# Altium PCB Fri3D_2020_03.PcbDoc (part 2 of 3)
Units mm, origin at the board's own origin, x right, y up, seen from the top; angles counter-clockwise.
Board outline 134.73 x 117.95 mm, 2 copper layers (Top Layer, Bottom Layer), stack 1.571 mm thick; 120 components, 88 nets, 479 pads, 206 vias.
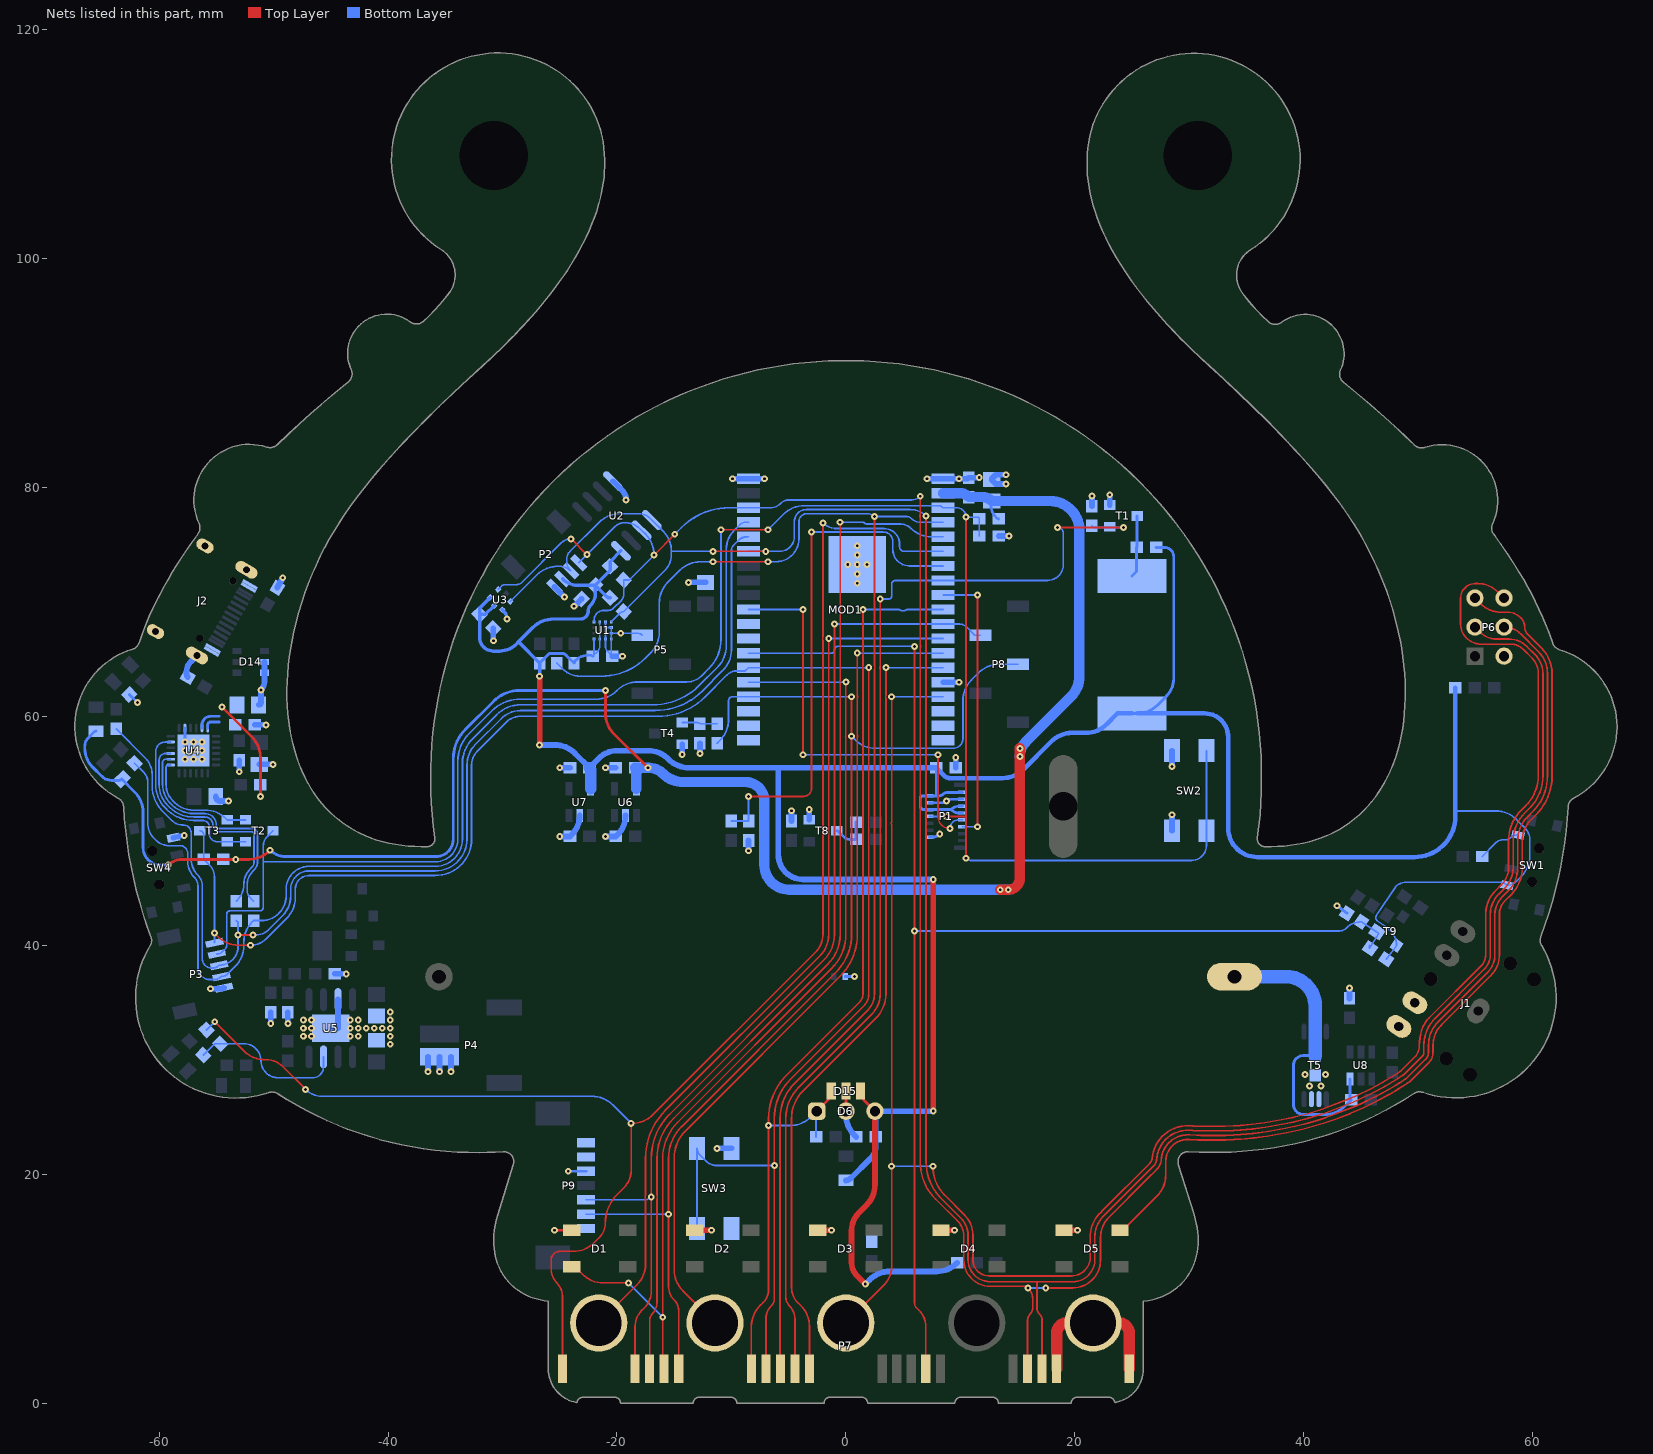
[diagram p2: the nets of this part, all layers, seen from the top]

## Via types
v1: diameter 0.6, hole 0.25, Top Layer to Bottom Layer, tented top, 206 vias

## Nets (pads, with @x,y where several pads share a name; then routed paths per layer and width w, separated by ;. In a path a pad name is that pad's centre, name@x,y a point inside that pad or via, vN(x,y) a via of type N, cw(c..) or ccw(c..) an arc to the next point about the centre after c; other vN are vias at no path point)
3V3_AUX: BUZ1.1 C2.1 C3.1 C4.1 C6.1 C7.1 C21.1 D6.3 D7.1 D15.3 P1.1 P1.2 P1.5 P1.6 P1.7 P2.2 R1.1 R2.1 R3.1 R9.1 R10.1 R33.1 R35.1 R45.1 SW1.3 T9.1 U1.2 U1.9 U1.10 U2.8 U3.1 U3.6 U7.5 | length 299.5
  Top Layer w0.25: D15.3@1.27,27.25 ccw(c2.429,27.25) 1.609,26.431 D6.3@2.54,25.5
  Top Layer w0.5: v1(-26.75,57.5) v1(-26.75,63.5) ; v1(1.7,10.4) 0.98,11.12 cw(c2.138,12.278) 0.5,12.278 0.5,15.067 cw(c2.7,15.067) 1.144,16.622 1.796,17.274 ccw(c0,19.07) 2.54,19.07 D6.3@2.54,25.5 ; v1(7.631,25.5) v1(7.631,45.75)
  Bottom Layer w0.15: C2.1@-22.1,65.25 ccw(c-23.549,66.699) -22.053,65.299 ccw(c-22.18,65.426) C2.1@-22.044,65.309 ; C2.1@-22.043,65.308 -21.701,65.65 ccw(c-22.185,66.134) -21.5,66.134 U1.9@-21.5,66.75 U1.2@-21.5,68.25 ; C2.1@-22,65.426 U1.10@-22,66.75 ; R35.1@47.205,38.775 47.462,39.114 47.859,39.635 T9.1@48.117,39.974 ccw(c46.275,39.974) 47.577,41.276 47.325,41.528 46.413,42.143 cw(c46.686,42.416) 46.3,42.416 cw(c46.85,42.416) 46.329,42.591 48.029,45.112 cw(c48.966,44.175) 48.966,45.5 57.114,45.5 cw(c57.114,44.562) SW1.3@57.777,45.225 ccw(c57.777,46.307) 58.542,45.542 59.006,46.006 ccw(c57.21,47.802) 59.75,47.802 59.75,49.244 ccw(c58.356,49.244) 59.342,50.229 58.584,50.987 ccw(c56.788,49.191) 56.788,51.731 53.25,51.731
  Bottom Layer w0.25: R2.1@-26.75,64.65 -26.006,65.394 cw(c-25.75,65.138) -25.755,65.5 ccw(c-25.75,65.8) -25.75,65.5 -25.45,65.5 -24.85,65.5 cw(c-24.85,64.896) -24.423,65.323 R3.1@-23.75,64.65 -23.656,64.848 cw(c-22.453,63.644) -22.286,65.338 C2.1@-22.1,65.25 ; C4.1@7.9,55.5 7.9,53.05 ; P1.7@10.188,51.55 9.905,51.55 cw(c9.905,52.574) 9.181,51.85 ; P1.5@10.188,52.15 9.905,52.15 ccw(c9.905,51.126) 9.181,51.85 ; P1.1@10.188,53.35 8.862,53.35 ccw(c8.862,52.838) 8.5,53.2 cw(c8.138,53.562) 8.138,53.05 7.9,53.05 ; BUZ1.1@25,60.25 25.448,60.25 ccw(c25.448,62.79) 27.244,60.994 28,61.75 ccw(c26.437,63.313) 28.647,63.313 28.647,73.95 ccw(c27.847,73.95) 27.847,74.75 R1.1@27.1,74.75 ; 7.9,53.05 P1.2@7.312,53.05 6.736,53.05 ccw(c6.736,52.814) 6.5,52.814 6.5,52.163 ccw(c6.813,52.163) 6.813,51.85 P1.6@7.312,51.85 9.181,51.85
  Bottom Layer w0.3: U3.1@-31.084,70.377 -32.001,69.46 C3.1@-32.001,68.901 ; U3.6@-30.73,69.67 -31.499,68.901 C3.1@-32.001,68.901 ; v1(-26.75,63.5) R2.1@-26.75,64.65 -28.6,66.5 ; P2.2@-24.75,72 ccw(c-23.425,73.325) -23.425,71.451 C6.1@-21.899,71.451 ; R9.1@-20.601,70.351 cw(c-20.601,70.828) -20.939,70.491 C6.1@-21.899,71.451 ; U2.8@-19.65,74.456 -20.601,73.505 R10.1@-20.601,73.101 -20.601,72.749 C6.1@-21.899,71.451 ; C3.1@-32.001,68.901 -32.001,66.901 ccw(c-30.8,66.901) -30.8,65.7 -30.249,65.7 ccw(c-30.249,67.749) -28.8,66.3 -28.6,66.5 ; -28.6,66.5 -27.344,67.756 cw(c-25.548,65.96) -25.548,68.5 -23.202,68.5 ccw(c-23.202,69.202) -22.5,69.202 -22.5,69.217 cw(c-21.817,69.217) -22.3,69.7 ccw(c-23.268,70.668) -21.899,70.668 C6.1@-21.899,71.451
  Bottom Layer w0.4: C4.1@7.9,55.5 8.582,54.818 ccw(c9.108,55.343) 9.108,54.6 13.71,54.6 ccw(c13.71,57.14) 15.506,55.344 17.968,57.806 cw(c19.764,56.01) 19.764,58.55 20.982,58.55 ccw(c20.982,61.09) 22.778,59.294 23.734,60.25 BUZ1.1@25,60.25 ; BUZ1.1@25.448,60.25 31.35,60.25 cw(c31.35,58.2) 33.4,58.2 33.4,50.242 ccw(c35.94,50.242) 35.94,47.702 49.695,47.702 ccw(c49.695,51.257) 53.25,51.257 53.25,51.731 R45.1@53.25,62.5
  Bottom Layer w0.5: v1(-26.75,57.5) -25.452,57.5 cw(c-25.452,54.96) -23.656,56.756 C21.1@-22.4,55.5 -21.563,56.337 cw(c-19.963,54.737) -19.963,57 -17.302,57 cw(c-17.302,54.46) -15.506,56.256 -15.494,56.244 ccw(c-13.698,58.04) -13.698,55.5 -5.9,55.5 ; D7.1@0,19.45 ccw(c0,20.034) 0.413,19.621 2.181,21.389 ccw(c1.169,22.401) 2.6,22.401 C7.1@2.6,23.25 2.6,25.4 D6.3@2.5,25.5 ; v1(1.7,10.4) 2.056,10.756 cw(c3.852,8.96) 3.852,11.5 7.918,11.5 ccw(c7.918,14.04) 9.714,12.244 R33.1@9.72,12.25 ; D6.3@2.54,25.5 v1(7.631,25.5) ; v1(7.631,45.75) -3.75,45.75 cw(c-3.75,47.9) -5.9,47.9 -5.9,55.5 ; C4.1@7.9,55.5 -5.9,55.5
  Bottom Layer w1: C21.1@-22.4,55.5 cw(c-22.641,55.259) -22.3,55.259 U7.5@-22.3,53.675
3V3_ESP: C9.1 C10.1 C19.1 D8.1 D9.1 MOD1.2 R7.1 R8.1 U6.5 | length 168.6
  Top Layer w0.25: v1(-59.2,47) cw(c-57.993,45.793) -57.993,47.5 v1(-53.3,47.5) -52.152,47.5 ccw(c-52.152,50.04) -50.356,48.244 v1(-50.3,48.3) ; v1(-21,62.25) -21,60.256 ccw(c-18.46,60.256) -20.256,58.46 v1(-17.296,55.5)
  Top Layer w0.9: v1(13.493,44.85) v1(14.193,44.85) ccw(c14.193,45.857) 15.2,45.857 v1(15.2,56.5) v1(15.2,57.2)
  Bottom Layer w0.25: D9.1@-65.5,58.7 ccw(c-65.5,58.44) -65.684,58.624 -66.176,58.132 ccw(c-65.394,57.35) -66.5,57.35 -66.5,57.25 ccw(c-64.086,57.25) -65.793,55.543 -65,54.75 ccw(c-64.166,55.584) -64.166,54.405 -63.506,54.405 ccw(c-63.506,54.756) D8.1@-63.258,54.508 -62.144,53.394 cw(c-63.94,51.598) -61.4,51.598 -61.4,48.54 ccw(c-59.86,48.54) -59.86,47 v1(-59.2,47) ; R7.1@-54.4,47.5 v1(-53.3,47.5) ; v1(-50.3,48.3) ccw(c-48.944,49.656) -48.944,47.738 -35.826,47.738 ccw(c-35.826,49.264) -34.3,49.264 -34.3,56.299 cw(c-30.675,56.299) -33.238,58.862 -30.795,61.305 cw(c-28.513,59.023) -28.513,62.25 v1(-21,62.25) ; C10.1@12.75,78.8 12.664,78.606 ccw(c14.339,78.523) 13.153,77.337 R8.1@13.35,77.25
  Bottom Layer w0.9: U6.5@-18.3,53.675 -18.3,55.259 ccw(c-18.641,55.259) C19.1@-18.4,55.5 v1(-17.296,55.5) ; v1@-17.207,55.5 cw(c-17.207,53.793) -16,55 -15.994,54.994 ccw(c-14.198,56.79) -14.198,54.25 -8.75,54.25 cw(c-8.75,52.62) -7.12,52.62 -7.12,47.02 ccw(c-4.95,47.02) -4.95,44.85 v1(13.493,44.85) v1(14.193,44.85) ; MOD1.2@8.5,79.488 9.934,79.488 cw(c9.934,78.334) C9.1@10.75,79.15 11.905,79.15 cw(c11.905,77.955) C10.1@12.75,78.8 17.86,78.8 cw(c17.86,76.26) 20.4,76.26 20.4,63.5 cw(c17.86,63.5) 19.656,61.704 15.729,57.776 ccw(c17.005,56.5) v1(15.2,56.5)
3V3_USB: C13.1 C14.2 R11.1 U4.5 U4.6 | length 13.7
  Top Layer w0.25: v1(-54.5,60.8) -51.894,58.194 cw(c-53.69,56.398) -51.15,56.398 v1(-51.15,53)
  Bottom Layer w0.25: U4.5@-56.25,58.975 -56.25,59.25 cw(c-55.5,59.25) -55.5,60 -54.75,60 ; U4.6@-55.75,58.975 -55.75,59.25 cw(c-55.5,59.25) -55.5,59.5 -54.75,59.5 ; v1(-51.15,53) R11.1@-51.15,54
ACC.INT1: R46.2 SW1.1 | length 3.8
  Bottom Layer w0.15: R46.2@55.6,47.75 56.836,48.986 cw(c57.369,48.454) 57.369,49.207 57.625,49.207 ccw(c57.625,49.823) 58.061,49.387 cw(c58.64,48.808) 58.64,49.627 SW1.1@58.713,49.627
BAT.MON: MOD1.7 R12.2 R17.1 | length 45.4
  Top Layer w0.15: v1(-8.5,53) -3.704,53 ccw(c-3.704,53.704) -3,53.704 -3,63 v1(-3,76.1)
  Bottom Layer w0.15: R12.2@-10,50.85 R17.1@-8.5,50.85 v1(-8.5,53) ; v1(-3,76.1) 3.277,76.1 cw(c3.277,75.277) 4.1,75.277 4.1,74.6 ccw(c5.562,74.6) 5.562,73.138 MOD1.7@8.5,73.138
C\H\R\G\: R19.2 R24.2 U5.7 | length 14
  Bottom Layer w0.15: R24.2@-56.149,30.399 -55.149,31.399 R19.2@-54.649,31.399 -52.599,31.399 cw(c-52.599,29.9) -51.1,29.9 ccw(c-49.627,29.9) -49.627,28.427 -46.452,28.427 ccw(c-46.582,29.365) -45.635,29.365 U5.7@-45.635,30.25
CHARGER.E\N\: R18.2 R28.1 T4.1 | length 3.1
  Bottom Layer w0.15: T4.1@-14.3,59.45 -12.992,59.45 cw(c-12.992,59.108) R28.1@-12.75,59.35 R18.2@-11.25,59.35
CO2.HD: P9.7
CO2.PWM: P9.1
CO2.VO: P9.6
CP2102.DTR: T2.1 T3.2 U4.23 | length 15.6
  Bottom Layer w0.15: U4.23@-58.975,57.75 -59.459,57.75 ccw(c-59.459,56.909) -60.3,56.909 -60.3,54.052 ccw(c-57.338,54.052) -59.433,51.958 ccw(c-57,54.226) -57,50.9 -56.2,50.9 cw(c-56.2,50.3) -55.6,50.3 -55.6,49.7 ccw(c-54.95,49.7) -54.95,49.05 T2.1@-52.45,49.05
CP2102.RTS: T2.2 T3.1 U4.19 | length 10.4
  Bottom Layer w0.15: U4.19@-58.975,55.75 -59.15,55.75 ccw(c-59.15,55.5) -59.4,55.5 -59.4,54.052 ccw(c-57.37,54.052) -58.805,52.616 ccw(c-56.985,54.237) -56.985,51.8 -55.952,51.8 cw(c-55.952,49.26) -54.156,51.056 T3.1@-54.05,50.95
  Bottom Layer w0.158: T3.1@-54.05,50.95 T2.2@-52.45,50.95
CP2102.RXD: R41.1 U4.20 | length 19.8
  Bottom Layer w0.15: U4.20@-58.975,56.25 -59.419,56.25 ccw(c-59.419,55.969) -59.7,55.969 -59.7,54.052 ccw(c-57.37,54.052) -59.024,52.41 ccw(c-56.985,54.237) -56.984,51.5 -56,51.5 cw(c-56,50.5) -55,50.5 ccw(c-54.7,50.5) -54.7,50.2 -51.9,50.2 cw(c-51.9,49.7) -51.4,49.7 -51.4,47.283 cw(c-52.383,47.283) -51.688,46.588 cw(c-52.383,47.283) -51.689,46.587 ; R41.1@-51.75,43.85 -52.017,44.117 cw(c-51.334,44.8) -52.3,44.8 -52.3,45.3 cw(c-50.669,45.3) -51.821,46.454 -51.689,46.587
CP2102.TXD: R40.1 U4.21 | length 20.5
  Bottom Layer w0.15: U4.21@-58.975,56.75 -59.438,56.75 ccw(c-59.438,56.188) -60,56.188 -60,54.052 ccw(c-57.37,54.052) -59.242,52.205 ccw(c-56.985,54.237) -56.984,51.2 -56,51.2 cw(c-56,50.5) -55.3,50.5 ccw(c-54.7,50.5) -54.7,49.9 -51.9,49.9 cw(c-51.9,49.7) -51.7,49.7 -51.7,47.283 cw(c-52.383,47.283) -51.9,46.8 -52.034,46.666 ccw(c-50.669,45.3) -52.6,45.3 cw(c-54.531,45.3) -53.166,43.934 R40.1@-53.25,43.85
DNU_IO16: MOD1.27
DNU_IO17: MOD1.28
DNU_SPI.CLK: MOD1.20
DNU_SPI.CS0: MOD1.19
DNU_SPI.D: MOD1.22
DNU_SPI.HD: MOD1.17
DNU_SPI.Q: MOD1.21
DNU_SPI.WP: MOD1.18
ESP.IO0: MOD1.25 P3.5 P7.9 R7.2 SW3.1 T3.3 | length 162.2
  Top Layer w0.15: v1(-55.166,41.059) -54.851,40.744 ccw(c-53.055,42.54) -53.055,40 v1(-52,40) ; P7.9@-6.985,3 -6.985,7.329 cw(c-5.329,7.329) -6.5,8.5 ccw(c-7.104,9.104) -6.25,9.104 -6.25,11.986 v1(-6.25,20.75) -6.25,23.77 -6.25,24.09 ccw(c-6.75,24.25) -6.25,24.41 -6.25,24.868 cw(c-1.414,24.868) -4.834,28.288 1.562,34.684 ccw(c0.506,35.74) 2,35.74 v1(2,64.248)
  Bottom Layer w0.15: T3.3@-56.45,50 cw(c-56.45,49.65) -56.1,49.65 R7.2@-56.1,47.5 -55.572,46.972 cw(c-56.553,45.991) -55.166,45.991 v1(-55.166,41.059) P3.5@-55.166,40.206 ; v1(-52,40) ccw(c-52,41.931) -50.634,40.566 -48.844,42.356 ccw(c-50.64,44.152) -48.1,44.152 -48.1,44.9 cw(c-46.912,44.9) -46.912,46.088 -35.876,46.088 ccw(c-35.876,49.264) -32.7,49.264 -32.7,55.735 cw(c-30.974,55.735) -32.194,56.956 -29.661,59.489 cw(c-28.427,58.255) -28.427,60 -16.406,60 ccw(c-16.406,65.808) -12.299,61.701 -10.387,63.613 cw(c-9.538,62.765) -9.538,63.965 -8.783,63.965 MOD1.25@-8.5,64.248 v1(2,64.248) ; SW3.1@-13,15.25 SW3.1@-13,22.25 ccw(c-12.192,22.25) -12.763,21.678 -12.239,21.154 ccw(c-11.264,22.128) -11.264,20.75 v1(-6.25,20.75)
ESP.IO2: D1.4 MOD1.24 P7.5 | length 84.4
  Top Layer w0.15: D1.4@-23.95,11.9 cw(c-23.95,11.2) -23.455,11.695 -23.004,11.244 ccw(c-21.208,13.04) -21.208,10.5 v1(-19,10.5) ; P7.5@-15.875,3 cw(c-15.573,3.302) -16,3.302 v1(-16,7.5) -16,16.34 cw(c-15.5,16.5) -16,16.66 -16,21.385 cw(c-11.583,21.385) -14.706,24.508 -1.219,37.995 ccw(c-4.163,40.939) 0,40.939 0,58.09 cw(c0.5,58.25) 0,58.41 0,61.55 cw(c0.5,61.71) 0,61.87 v1(0,63)
  Bottom Layer w0.15: v1(-19,10.5) v1(-16,7.5) ; MOD1.24@-8.5,62.978 v1(0,63)
ESP.IO4: MOD1.26 P7.17 R4.1 R32.2 R35.2 T9.2 | length 121
  Top Layer w0.15: v1(6,66.111) 6,8.752 ccw(c6.632,8.752) 6.185,8.305 6.39,8.1 cw(c4.954,6.664) 6.985,6.664 P7.17@6.985,3
  Bottom Layer w0.15: MOD1.26@-8.5,65.518 -1.253,65.518 ccw(c-1.253,65.771) -1,65.771 cw(c-0.66,65.771) -0.66,66.111 v1(6,66.111) ; v1(6,41.25) 43.131,41.25 ccw(c43.131,42.104) 43.735,41.5 43.753,41.519 cw(c45.025,40.247) R32.2@45.025,42.045 46.299,41.198 T9.2@46.541,41.036 46.318,40.674 45.975,40.117 45.751,39.752 45.75,39.75 R35.2@45.75,39.976
ESP.IO5: MOD1.29 P1.9 | length 37.8
  Top Layer w0.15: v1(-3.75,56.644) v1(-3.75,69.328) ; v1(8.056,56.644) 8.056,51.244 ccw(c9.1,51.244) v1(9.1,50.2)
  Bottom Layer w0.15: MOD1.29@-8.5,69.328 v1(-3.75,69.328) ; v1(-3.75,56.644) v1(8.056,56.644) ; v1(9.1,50.2) cw(c9.85,50.2) 9.85,50.95 P1.9@10.188,50.95
ESP.IO12: MOD1.14 P7.12 | length 69.9
  Top Layer w0.15: P7.12@-3.175,3 -3.175,6.693 ccw(c-5.715,6.693) -3.919,8.489 -4.186,8.756 cw(c-2.825,10.118) -4.75,10.118 -4.75,24.868 cw(c-1.414,24.868) -3.773,27.227 2.623,33.623 ccw(c0.506,35.74) 3.5,35.74 3.5,61.55 cw(c4,61.71) 3.475,61.71 cw(c4,61.71) 3.5,61.87 v1(3.5,64.248)
  Bottom Layer w0.15: v1(3.5,64.248) MOD1.14@8.5,64.248
ESP.IO13: MOD1.16 P6.6 P7.13 | length 175.9
  Top Layer w0.15: P7.13@0,7 3.346,10.346 ccw(c1.767,11.925) 4,11.925 v1(4,20.693) 4,50.49 cw(c4.5,50.65) 3.975,50.65 cw(c4.5,50.65) 4,50.81 v1(4,61.71) ; v1(7.6,20.693) ccw(c11.204,20.693) 8.655,18.145 10.356,16.444 cw(c8.56,14.648) 11.1,14.648 11.1,12.52 ccw(c12.52,12.52) 12.52,11.1 19.7,11.1 ccw(c19.7,12.756) 21.356,12.756 21.356,14.703 cw(c24.29,14.514) 22.156,16.536 cw(c24.29,14.514) 22.211,16.592 22.498,16.88 26.505,20.886 ccw(c25.834,21.556) 26.752,21.319 ccw(c25.834,21.556) 26.782,21.556 cw(c27.963,21.344) 26.783,21.558 cw(c27.176,21.488) 26.783,21.56 26.784,21.566 ; 26.784,21.568 26.786,21.575 26.809,21.7 ; 26.809,21.701 26.82,21.764 cw(c27.214,21.692) 26.821,21.765 ; 26.821,21.767 cw(c28.517,21.453) 26.821,21.768 cw(c29.058,21.354) 26.848,21.893 cw(c28.014,21.61) 26.849,21.898 cw(c29.058,21.354) 26.903,22.084 cw(c29.058,21.354) 26.918,22.125 cw(c27.67,21.854) 26.918,22.126 cw(c29.058,21.354) 26.955,22.222 cw(c29.058,21.354) 26.982,22.283 ; 26.982,22.284 cw(c28.077,21.795) 26.983,22.286 26.989,22.299 ; 26.989,22.3 27.05,22.436 cw(c27.78,22.109) 27.051,22.438 27.067,22.474 cw(c27.797,22.147) 27.069,22.477 cw(c28.641,21.768) 27.069,22.479 cw(c29.143,21.543) 27.101,22.545 cw(c27.46,22.37) 27.101,22.547 cw(c29.143,21.543) 27.143,22.627 cw(c28.198,22.055) 27.143,22.628 cw(c29.143,21.543) 27.158,22.654 cw(c27.856,22.264) 27.159,22.657 cw(c29.143,21.543) 27.221,22.76 cw(c27.559,22.547) 27.222,22.762 cw(c29.143,21.543) 27.238,22.786 cw(c27.908,22.35) 27.239,22.789 cw(c29.143,21.543) 27.267,22.83 cw(c28.69,21.855) 27.269,22.833 27.29,22.863 cw(c27.949,22.41) 27.291,22.865 27.328,22.919 cw(c28.316,22.238) 27.33,22.922 ; 27.331,22.922 cw(c29.202,21.628) 27.39,23.004 cw(c28.028,22.521) 27.392,23.007 cw(c29.202,21.628) 27.495,23.133 cw(c28.396,22.34) 27.497,23.135 27.564,23.211 cw(c28.164,22.682) 27.565,23.212 cw(c28.858,22.07) 27.568,23.215 cw(c29.27,21.706) 27.646,23.298 cw(c28.218,22.739) 27.648,23.301 cw(c29.27,21.706) 27.75,23.398 cw(c28.285,22.804) 27.751,23.399 cw(c29.27,21.706) 27.863,23.494 ; 27.864,23.494 cw(c28.606,22.551) 27.866,23.496 27.904,23.526 ; 27.905,23.527 28.026,23.622 ; 28.027,23.622 cw(c29.093,22.267) 28.03,23.625 cw(c29.433,21.834) 28.198,23.744 cw(c28.415,23.409) 28.199,23.745 cw(c29.433,21.834) 28.499,23.908 ; 28.499,23.908 28.654,23.979 cw(c29.151,22.887) 28.658,23.98 28.681,23.991 cw(c29.012,23.263) 28.682,23.991 cw(c29.622,21.92) 29.207,24.156 ; 29.211,24.157 29.228,24.16 cw(c29.449,22.981) 29.232,24.161 29.406,24.193 cw(c29.627,23.014) 29.407,24.194 ; 29.41,24.194 cw(c29.826,21.957) 29.821,24.232 ; 29.824,24.232 29.918,24.233 cw(c29.929,21.958) 30.073,24.228 ; 30.075,24.228 cw(c30.025,23.43) 30.076,24.228 30.327,24.212 30.673,24.19 30.761,24.188 cw(c30.734,22.988) 30.764,24.188 ; 30.766,24.188 30.842,24.186 cw(c30.824,23.386) 30.844,24.186 ; 30.845,24.186 31.038,24.181 31.047,24.181 33.157,24.181 33.847,24.217 34.445,24.254 35.479,24.348 36.604,24.494 38.26,24.788 39.037,24.95 39.618,25.095 40.199,25.241 41.353,25.583 41.584,25.663 44.057,26.606 44.714,26.894 45.794,27.423 46.852,27.997 47.552,28.415 cw(c48.169,27.386) 47.556,28.418 47.637,28.466 47.921,28.637 48.268,28.865 cw(c48.928,27.863) 48.272,28.868 48.386,28.943 ; 48.388,28.944 cw(c49.046,27.94) 48.39,28.945 cw(c49.635,27.041) 48.43,28.971 cw(c49.067,27.953) 48.433,28.973 cw(c49.635,27.041) 48.49,29.007 49.77,30.287 ccw(c48.536,31.248) 50.1,31.248 cw(c53.84,31.248) 50.227,32.214 cw(c52.74,31.845) 50.944,33.641 55.504,38.201 cw(c55.789,37.92) 55.505,38.202 ; 55.507,38.204 ccw(c54.56,39.152) 55.728,38.496 55.822,38.703 ccw(c54.56,39.152) 55.866,38.853 ccw(c54.56,39.152) 55.9,39.152 55.9,42.693 cw(c58.807,42.693) 55.903,42.828 cw(c58.807,42.693) 56.028,43.545 cw(c58.807,42.693) 56.316,44.191 cw(c58.807,42.693) 56.753,44.75 ; 56.753,44.75 57.272,45.269 ; 57.272,45.269 ccw(c55.76,46.783) 57.669,45.817 ccw(c55.76,46.783) 57.859,46.368 ccw(c55.76,46.783) 57.9,46.783 57.9,49.148 cw(c61.64,49.148) 57.911,49.438 cw(c61.64,49.148) 58.02,50.086 cw(c61.64,49.148) 58.242,50.711 cw(c61.64,49.148) 58.594,51.318 cw(c61.64,49.148) 58.995,51.792 cw(c61.64,49.148) 58.996,51.793 59.443,52.24 ; P6.6@57.5,70.33 56.974,70.856 ccw(c55.178,69.06) 55.178,71.6 55,71.6 ccw(c55,70.3) 53.7,70.3 53.7,68.1 ccw(c55.499,68.1) 55.499,66.301 58.091,66.301 cw(c58.091,64.591) 58.573,66.231 cw(c57.942,64.542) 59.168,65.865 59.984,65.049 cw(c58.569,63.734) 60.5,63.732 60.5,54.792 cw(c56.896,54.79) 60.298,53.601 60.112,53.163 cw(c56.896,54.79) 59.974,52.916 cw(c56.896,54.79) 59.93,52.845 cw(c56.896,54.79) 59.886,52.777 cw(c56.896,54.79) 59.445,52.242 59.443,52.24
  Bottom Layer w0.15: v1(4,20.693) v1(7.6,20.693) ; v1(4,61.71) MOD1.16@8.5,61.71
ESP.IO14: MOD1.13 P7.7 | length 73.7
  Top Layer w0.15: P7.7@-11.43,7 -14.256,9.826 cw(c-12.46,11.622) -15,11.622 -15,15.637 -15,16.34 ccw(c-15.5,16.5) -15,16.66 -15,17.5 -15,21.385 cw(c-11.583,21.385) -13.999,23.801 -0.512,37.288 ccw(c-4.163,40.939) 1,40.939 1,58.09 ccw(c0.5,58.25) 1,58.41 1,61.55 ccw(c0.5,61.71) 1,61.87 v1(1,65.518)
  Bottom Layer w0.15: v1(1,65.518) MOD1.13@8.5,65.518
ESP.IO15: MOD1.23 P7.6 P8.3 P9.2 R18.1 | length 107.8
  Top Layer w0.15: P7.6@-14.605,3 -14.605,8.046 ccw(c-15.954,8.046) -15,9 cw(c-13.793,10.207) -15.5,10.207 v1(-15.5,16.5) -15.5,21.385 cw(c-11.583,21.385) -14.353,24.154 -0.866,37.641 ccw(c-4.163,40.939) 0.5,40.939 v1(0.5,61.71)
  Bottom Layer w0.15: P9.2@-22.7,16.5 v1(-15.5,16.5) ; R18.1@-11.25,57.65 -10.994,57.906 ccw(c-12.79,59.702) -10.25,59.702 -10.25,61.354 cw(c-9.894,61.354) -9.894,61.71 MOD1.23@-8.5,61.71 v1(0.5,61.71) ; v1(0.5,58.25) 0.806,57.944 ccw(c2.602,59.74) 2.602,57.2 9.375,57.2 ccw(c9.375,58.05) 10.225,58.05 10.225,61.373 cw(c12.765,61.373) 10.969,63.169 11.596,63.796 cw(c13.392,62) 13.392,64.54 P8.3@15.04,64.54
ESP.IO25: D6.1 D15.1 MOD1.10 P7.8 R13.2 | length 86.1
  Top Layer w0.15: P7.8@-8.255,3 -8.255,6.693 cw(c-5.715,6.693) -7.511,8.489 -7.244,8.756 ccw(c-8.436,9.949) -6.75,9.949 -6.75,20.101 -6.75,20.25 -6.75,20.59 cw(c-6.25,20.75) -6.75,20.91 -6.75,24.868 cw(c-1.414,24.868) -5.187,28.641 1.209,35.037 ccw(c0.506,35.74) 1.5,35.74 1.5,63.67 1.5,64.088 cw(c2,64.248) 1.475,64.248 cw(c2,64.248) 1.5,64.408 1.5,65.358 ccw(c1,65.518) 1.5,65.678 v1(1.5,69.328)
  Top Layer w0.25: D6.1@-2.54,25.5 -1.609,26.431 ccw(c-2.429,27.25) D15.1@-1.27,27.25
  Bottom Layer w0.15: v1(-6.75,24.25) -4.842,24.25 ccw(c-4.842,26.79) -3.046,24.994 D6.1@-2.54,25.5 ; R13.2@-2.6,23.25 -2.6,25.258 cw(c-2.258,25.258) D6.1@-2.5,25.5 ; v1(1.5,69.328) 4.675,69.328 ccw(c5,69.74) 5.325,69.328 MOD1.10@8.5,69.328